# Altium PCB higgs.PcbDoc (part 1 of 25) (continued)
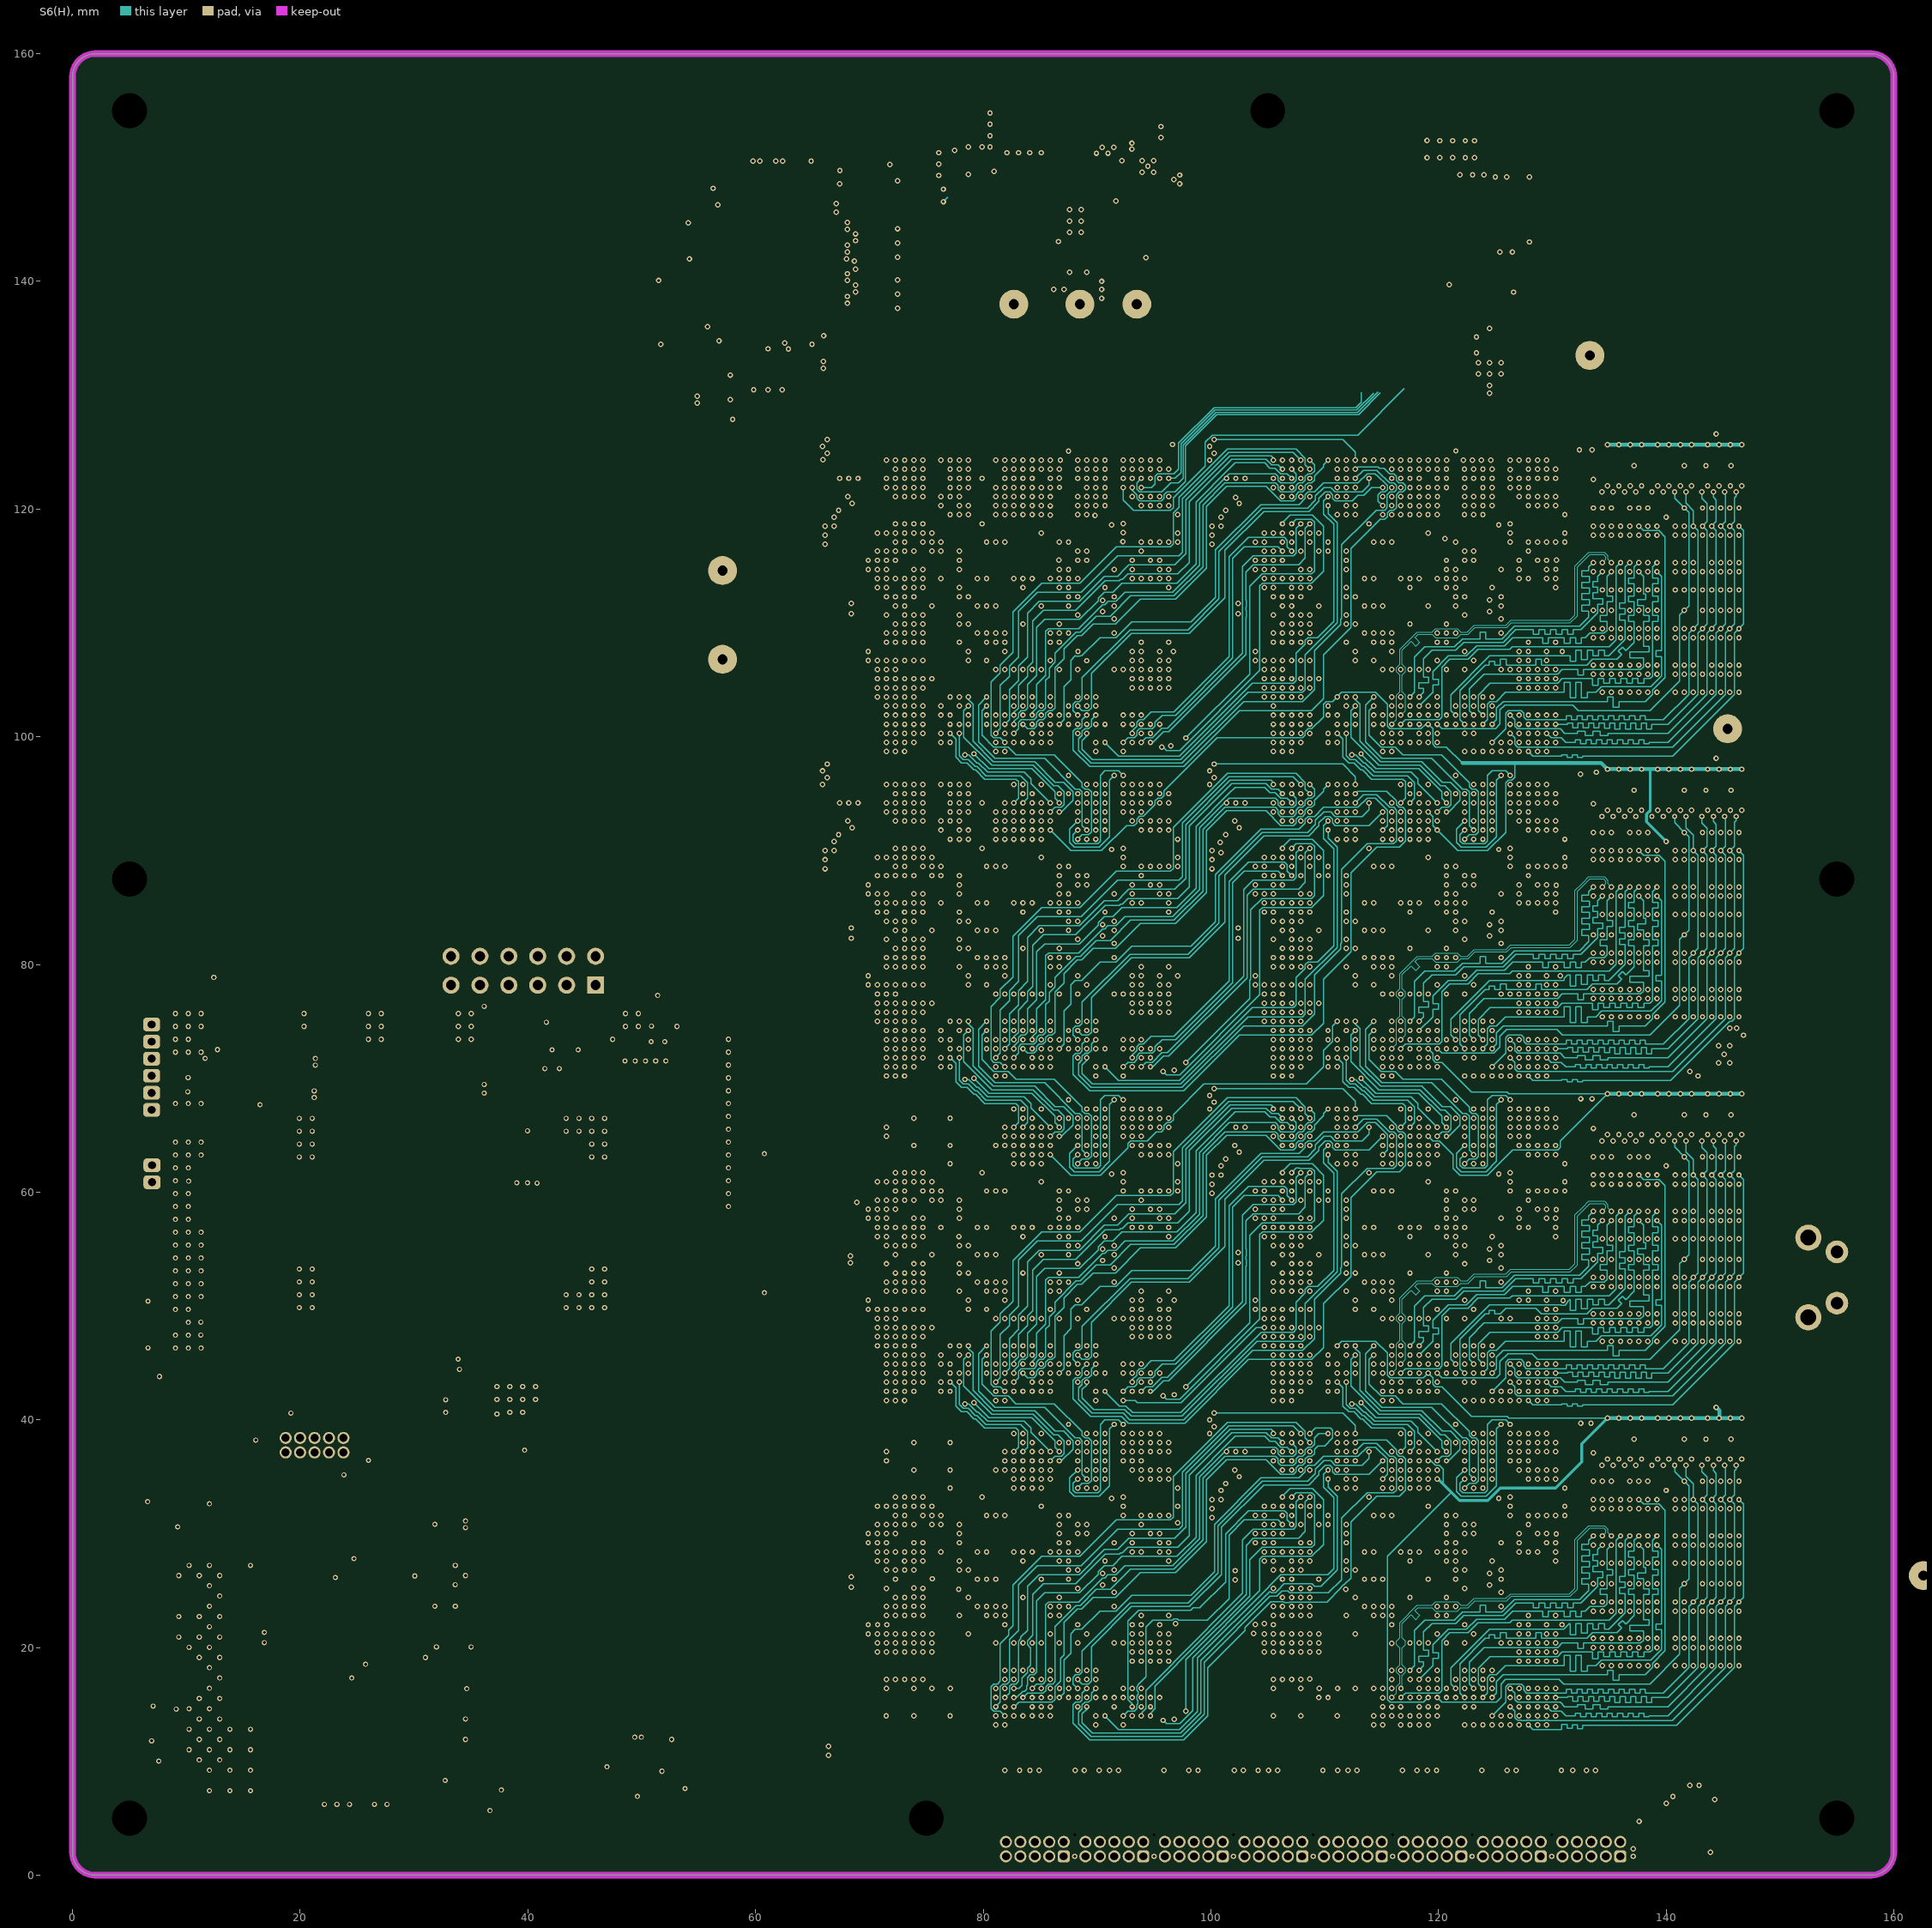
[diagram p12: S6(H)]
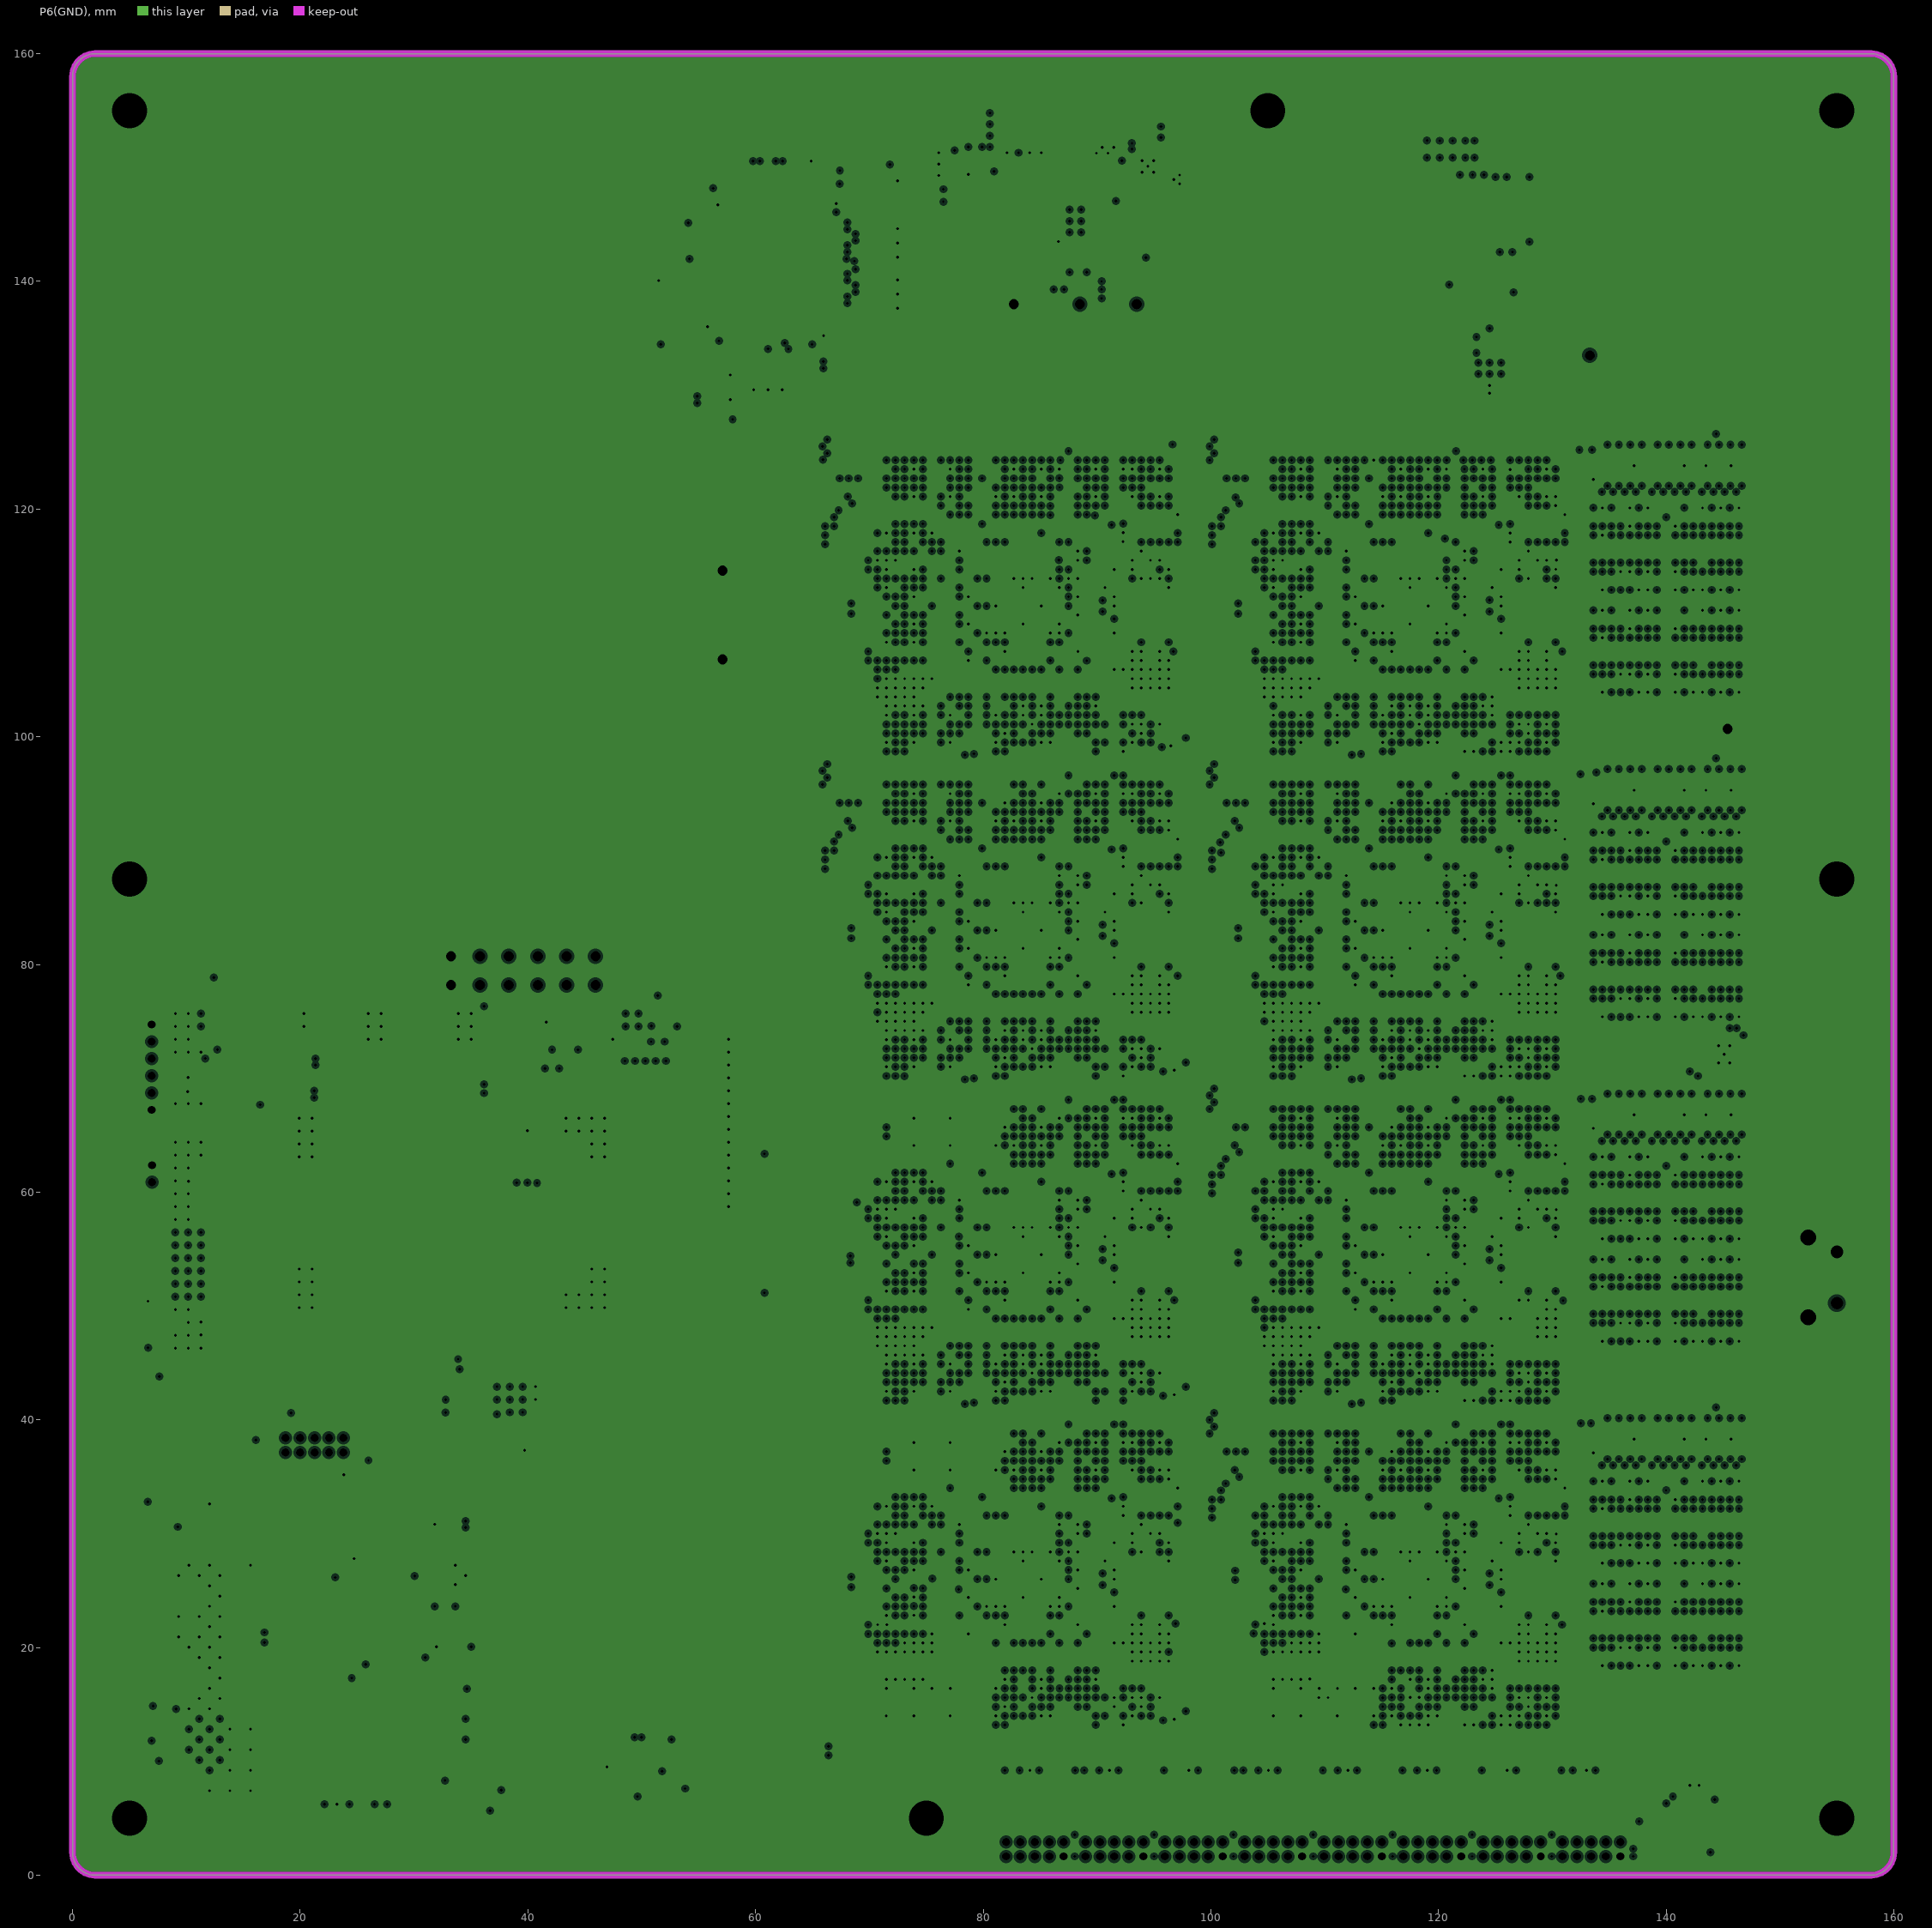
[diagram p13: P6(GND), clearances drawn from the general rule]
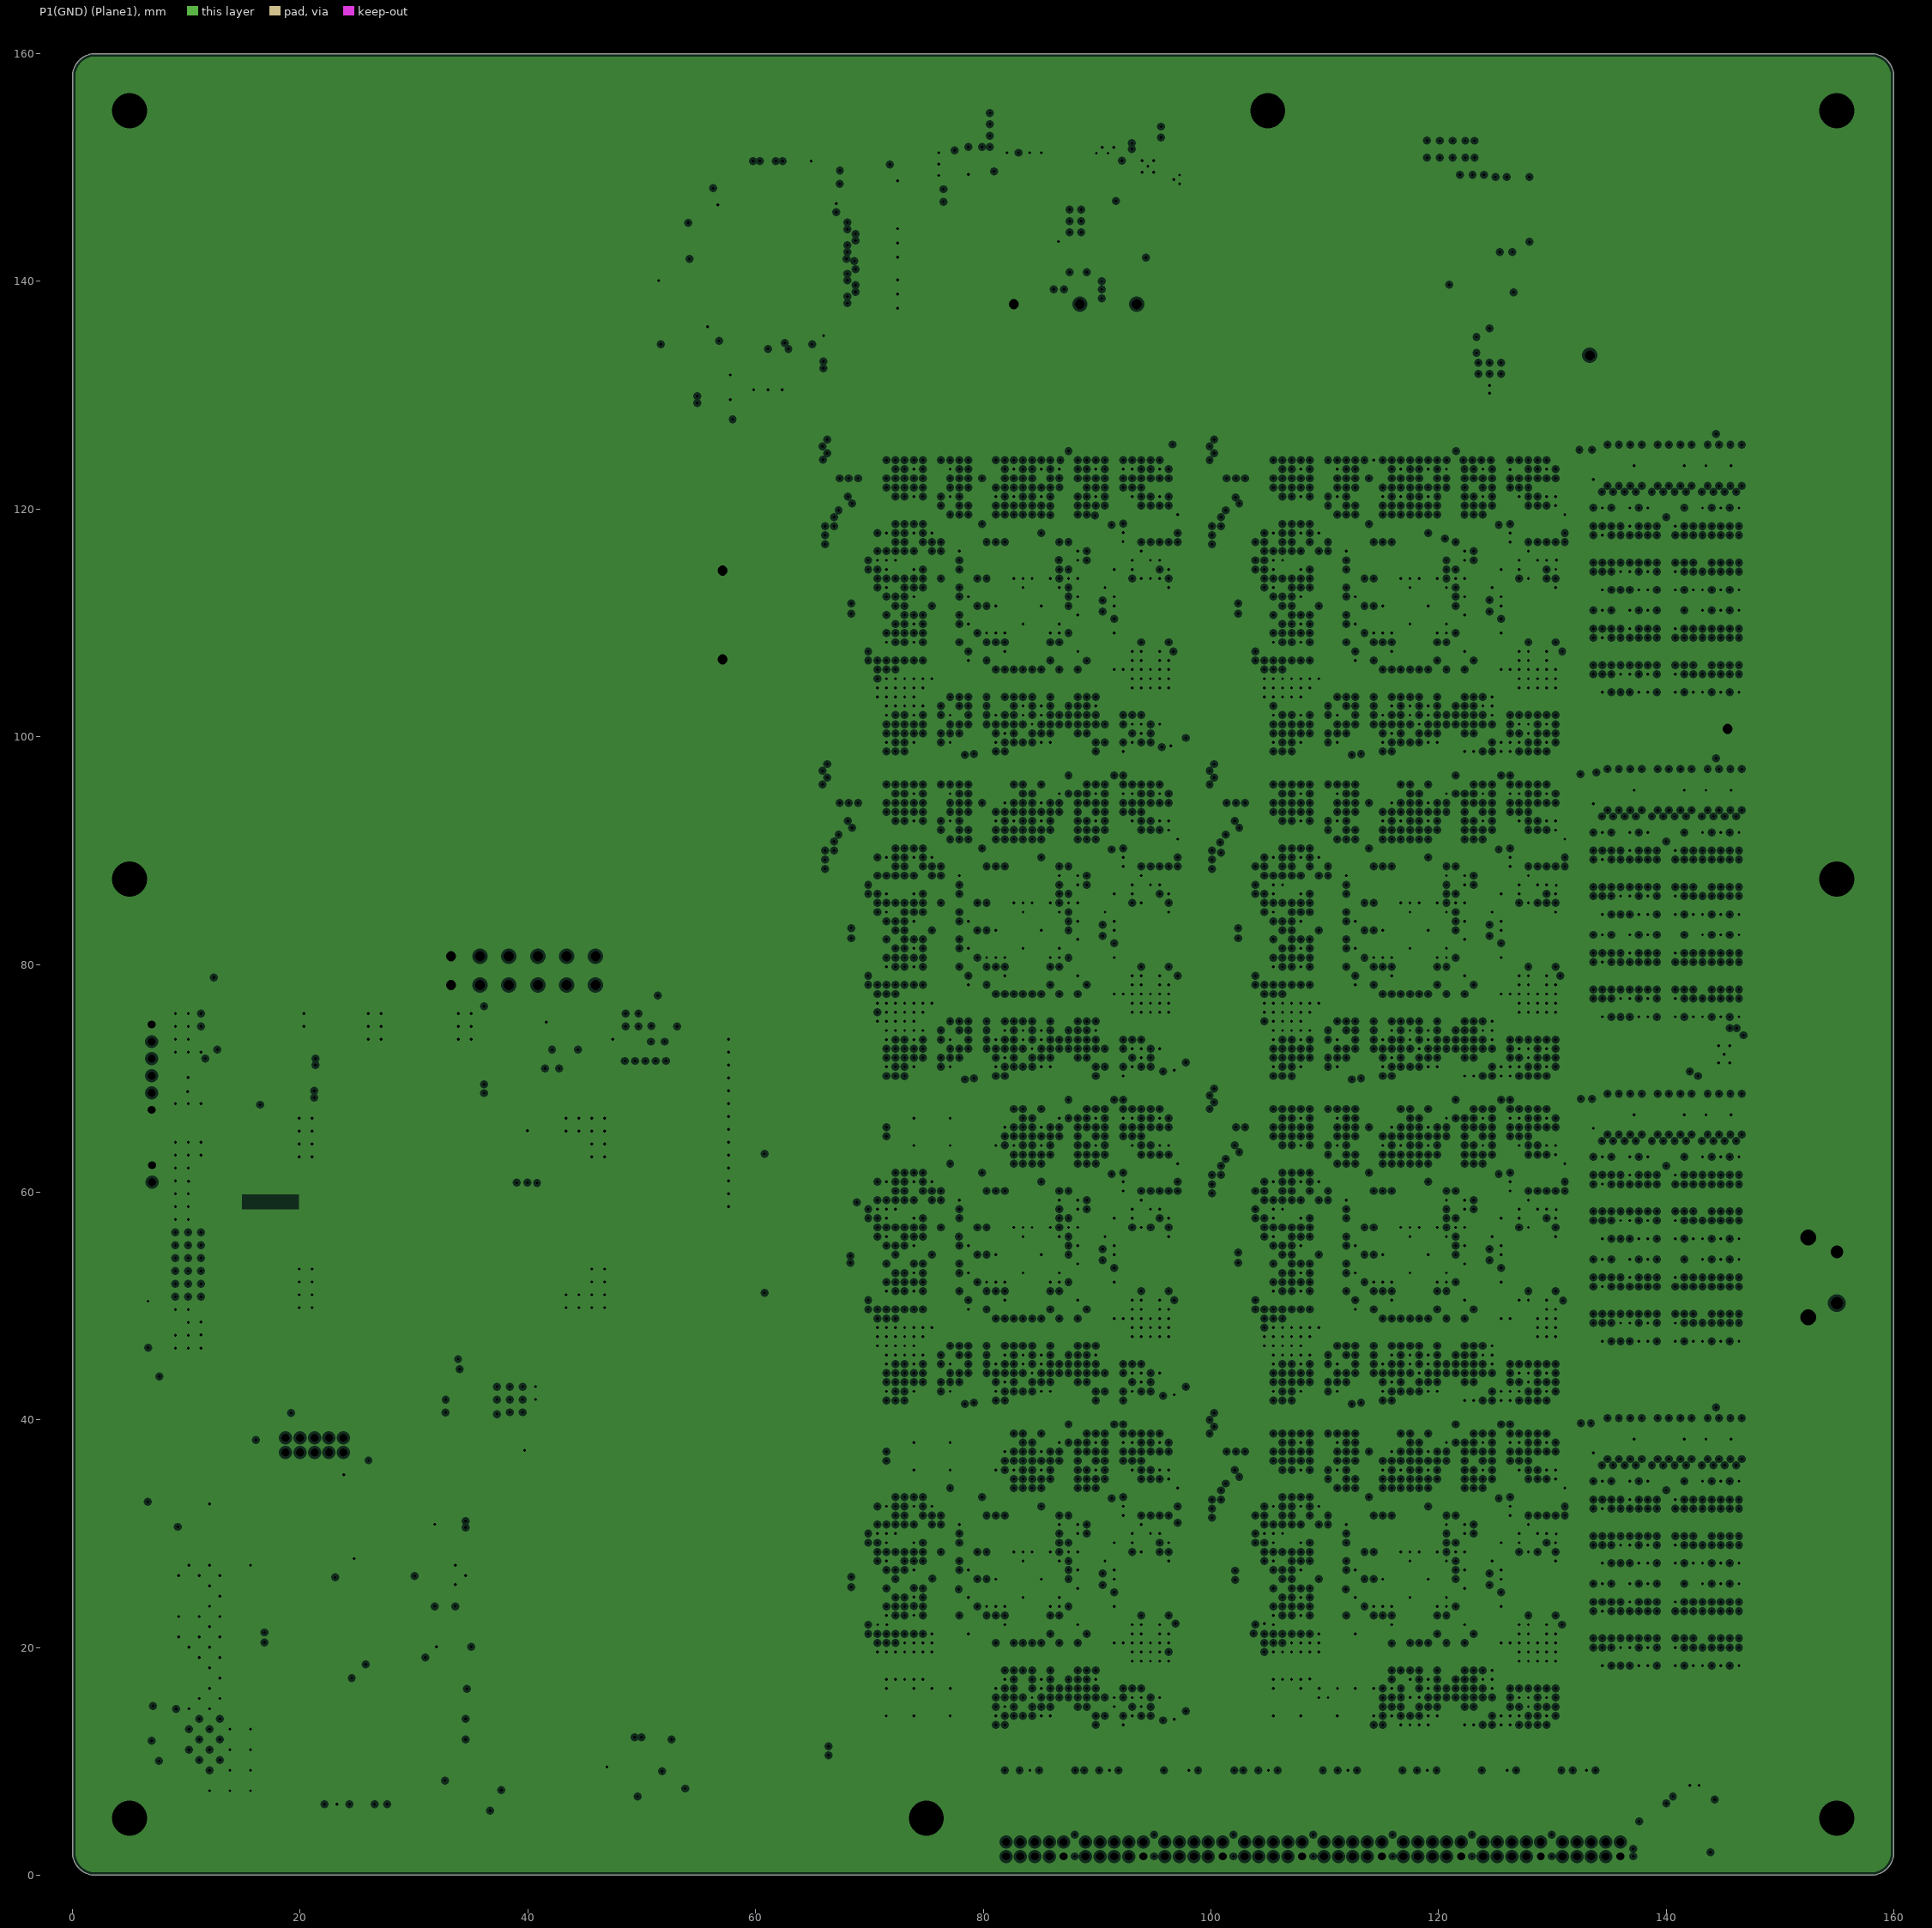
[diagram p14: P1(GND) (Plane1), clearances drawn from the general rule]

## Layer stack, top to bottom
Top Solder: solder mask 0.0127, Solder Resist, Dk 3.3
TOP: signal copper 0.0571
Dielectric1: prepreg 0.127, N4000-13EPSI (1080) PRE, Dk 4.2
P1(GND): plane copper 0.033, net GND
Dielectric 4: core 0.254, N4000-13EPSI, Dk 4.2
S1(V): signal copper 0.033
Dielectric 18: prepreg 0.127, N4000-13EPSI (2116) PRE, Dk 4.2
P2(GND): plane copper 0.033, net GND
Dielectric 11: core 0.254, N4000-13EPSI, Dk 4.2
S2(H): signal copper 0.033
Dielectric 5: prepreg 0.127, N4000-13EPSI (2116) PRE, Dk 4.2
P3(GND): plane copper 0.033, net GND
Dielectric 13: core 0.254, N4000-13EPSI, Dk 4.2
S3(V12/V2V5): signal copper 0.033
Dielectric 14: prepreg 0.127, N4000-13EPSI (1080) PRE, Dk 4.2
S4(VDDR): signal copper 0.033
Dielectric 15: core 0.254, N4000-13EPSI, Dk 4.2
P4(GND): plane copper 0.033, net GND
Dielectric 6: prepreg 0.127, N4000-13EPSI (2116) PRE, Dk 4.2
S5(V): signal copper 0.033
Dielectric 19: core 0.254, N4000-13EPSI, Dk 4.2
P5(GND): plane copper 0.033, net GND
Dielectric 7: prepreg 0.127, N4000-13EPSI (2116) PRE, Dk 4.2
S6(H): signal copper 0.033
Dielectric 16: core 0.254, N4000-13EPSI, Dk 4.2
P6(GND): plane copper 0.033, net GND
Dielectric 8: prepreg 0.127, N4000-13EPSI (1080) PRE, Dk 4.2
P1(GND) (Plane1): plane copper 0.018, net GND
Dielectric2: dielectric 0.32, FR-4, Dk 4.8
BOT: signal copper 0.0571
Bottom Solder: solder mask 0.0127, Solder Resist, Dk 3.3

## Board outline
0,2 0,158 cw(c2,158) 2,160 158,160 cw(c158,158) 160,158 160,2 cw(c158,2) 158,0 2,0 cw(c2,2)

## Design rules (kind name [scope] priority, off if disabled: settings)
AssemblyTestPointUsage [All] p1 off:
AssemblyTestpoint [All] p1 off: testpointundercomponent=TRUE minsize=1.016 maxsize=2.54 preferedsize=1.524 minholesize=0 maxholesize=1.016 preferedholesize=0.813 testpointgrid=0.025 usegrid=TRUE gridtolerance=0 allowsidetop=TRUE allowsidebottom=TRUE
Clearance Clearance_mount_holes [InPolygon vs HasFootprint('MOUNTM3')] p1: gap=0.15 ignorepadtopadclearanceinfootprint=FALSE
Clearance Clearance_tight_through_vias [IsTrack and InNetClass('tight') vs IsVia and not InNetClass('tight')] p2: gap=0.114 ignorepadtopadclearanceinfootprint=FALSE except(0: Arc-Hole Track-Hole SMDPad-Hole THPad-Hole Via-Hole Fill-Hole Poly-Hole Region-Hole Text-Hole)
Clearance Clearance_z50_through_pads_a [InNetClass('z50') and IsTrack vs IsComponentPad and not InNetClass('tight')] p3: gap=0.169 ignorepadtopadclearanceinfootprint=FALSE except(0: Arc-Hole Track-Hole SMDPad-Hole THPad-Hole Via-Hole Fill-Hole Poly-Hole Region-Hole Text-Hole)
Clearance Clearance_z50_through_pads_b [(InNetClass('z50') and IsTrack) and not InNetClass('tight') vs IsComponentPad] p4: gap=0.169 ignorepadtopadclearanceinfootprint=FALSE except(0: Arc-Hole Track-Hole SMDPad-Hole THPad-Hole Via-Hole Fill-Hole Poly-Hole Region-Hole Text-Hole)
Clearance Clearance_z50_to_copper_a [InNetClass('z50') and IsTrack vs (IsTrack or IsFill or InPolygon) and not InNetClass('tight')] p5: gap=0.203 ignorepadtopadclearanceinfootprint=FALSE except(0: Arc-Hole Track-Hole SMDPad-Hole THPad-Hole Via-Hole Fill-Hole Poly-Hole Region-Hole Text-Hole)
Clearance Clearance_z50_to_copper_b [(InNetClass('z50') and IsTrack) and not InNetClass('tight') vs (IsTrack or IsFill or InPolygon)] p6: gap=0.203 ignorepadtopadclearanceinfootprint=FALSE except(0: Arc-Hole Track-Hole SMDPad-Hole THPad-Hole Via-Hole Fill-Hole Poly-Hole Region-Hole Text-Hole)
Clearance Clearance_z50_through_vias [InNetClass('z50') vs IsTrack] p7: gap=0.107 ignorepadtopadclearanceinfootprint=FALSE except(0: Arc-Hole Track-Hole SMDPad-Hole THPad-Hole Via-Hole Fill-Hole Poly-Hole Region-Hole Text-Hole)
Clearance Clearance_through_vias [IsVia or isPad vs IsTrack] p8: gap=0.107 ignorepadtopadclearanceinfootprint=FALSE except(0: Arc-Hole Track-Hole SMDPad-Hole THPad-Hole Via-Hole Fill-Hole Poly-Hole Region-Hole Text-Hole)
Clearance [All] p9: gap=0.089 ignorepadtopadclearanceinfootprint=FALSE except(0: Arc-Hole Track-Hole SMDPad-Hole THPad-Hole Via-Hole Fill-Hole Poly-Hole Region-Hole Text-Hole)
ComponentClearance [All] p1 off: gap=0.254 collisioncheckmode=3 verticalgap=0.254 showdistances=FALSE
DiffPairsRouting [All] p1 off: maxlimit=0.254 minlimit=0.254 mostfreqgap=0.254 toplayer_minwidth=0.381 toplayer_maxwidth=0.381 toplayer_prefwidth=0.381 midlayer1_minwidth=0.381 midlayer1_maxwidth=0.381 midlayer1_prefwidth=0.381 midlayer2_minwidth=0.381 midlayer2_maxwidth=0.381 midlayer2_prefwidth=0.381 midlayer3_minwidth=0.381 midlayer3_maxwidth=0.381 midlayer3_prefwidth=0.381 midlayer4_minwidth=0.381 midlayer4_maxwidth=0.381 midlayer4_prefwidth=0.381 midlayer5_minwidth=0.381 midlayer5_maxwidth=0.381 midlayer5_prefwidth=0.381 midlayer6_minwidth=0.381 midlayer6_maxwidth=0.381 midlayer6_prefwidth=0.381 bottomlayer_minwidth=0.381 bottomlayer_maxwidth=0.381 bottomlayer_prefwidth=0.381 maxuncoupledlength=12.7
DiffPairsRouting DiffPairsRouting_tight [InNetClass('tight')] p2: maxlimit=0.229 minlimit=0.114 mostfreqgap=0.229 toplayer_maxgap=0.114 toplayer_prefgap=0.114 toplayer_minwidth=0.089 toplayer_maxwidth=0.089 toplayer_prefwidth=0.089 midlayer1_mingap=0.229 midlayer1_minwidth=0.102 midlayer1_maxwidth=0.102 midlayer1_prefwidth=0.102 midlayer2_maxgap=0.114 midlayer2_prefgap=0.114 midlayer2_minwidth=0.089 midlayer2_maxwidth=0.089 midlayer2_prefwidth=0.089 midlayer3_maxgap=0.114 midlayer3_prefgap=0.114 midlayer3_minwidth=0.089 midlayer3_maxwidth=0.089 midlayer3_prefwidth=0.089 midlayer4_mingap=0.229 midlayer4_minwidth=0.102 midlayer4_maxwidth=0.102 midlayer4_prefwidth=0.102 midlayer5_maxgap=0.114 midlayer5_prefgap=0.114 midlayer5_minwidth=0.089 midlayer5_maxwidth=0.089 midlayer5_prefwidth=0.089 midlayer6_maxgap=0.114 midlayer6_prefgap=0.114 midlayer6_minwidth=0.089 midlayer6_maxwidth=0.089 midlayer6_prefwidth=0.089 bottomlayer_maxgap=0.114 bottomlayer_prefgap=0.114 bottomlayer_minwidth=0.089 bottomlayer_maxwidth=0.089 bottomlayer_prefwidth=0.089 maxuncoupledlength=6.35
DiffPairsRouting DiffPairsRouting_loose [IsDifferentialPair and InNetClass('loose') and (not IsVia)] p3 off: maxlimit=0.229 minlimit=0.107 mostfreqgap=0.229 toplayer_maxgap=0.203 toplayer_prefgap=0.203 toplayer_minwidth=0.102 toplayer_maxwidth=0.102 toplayer_prefwidth=0.102 midlayer1_minwidth=0.102 midlayer1_maxwidth=0.102 midlayer1_prefwidth=0.102 midlayer2_maxgap=0.203 midlayer2_prefgap=0.203 midlayer2_minwidth=0.102 midlayer2_maxwidth=0.102 midlayer2_prefwidth=0.102 midlayer3_maxgap=0.203 midlayer3_prefgap=0.203 midlayer3_minwidth=0.102 midlayer3_maxwidth=0.102 midlayer3_prefwidth=0.102 midlayer4_minwidth=0.102 midlayer4_maxwidth=0.102 midlayer4_prefwidth=0.102 midlayer5_maxgap=0.203 midlayer5_prefgap=0.203 midlayer5_minwidth=0.102 midlayer5_maxwidth=0.102 midlayer5_prefwidth=0.102 midlayer6_maxgap=0.203 midlayer6_prefgap=0.203 midlayer6_minwidth=0.102 midlayer6_maxwidth=0.102 midlayer6_prefwidth=0.102 bottomlayer_maxgap=0.203 bottomlayer_prefgap=0.203 bottomlayer_minwidth=0.102 bottomlayer_maxwidth=0.102 bottomlayer_prefwidth=0.102 maxuncoupledlength=6.35
DiffPairsRouting DiffPairsRouting_loose_1 [InNetClass('loose') and (not IsVia)] p4: maxlimit=0.229 minlimit=0.107 mostfreqgap=0.229 toplayer_maxgap=0.203 toplayer_prefgap=0.203 toplayer_minwidth=0.102 toplayer_maxwidth=0.102 toplayer_prefwidth=0.102 midlayer1_minwidth=0.102 midlayer1_maxwidth=0.102 midlayer1_prefwidth=0.102 midlayer2_maxgap=0.203 midlayer2_prefgap=0.203 midlayer2_minwidth=0.102 midlayer2_maxwidth=0.102 midlayer2_prefwidth=0.102 midlayer3_maxgap=0.203 midlayer3_prefgap=0.203 midlayer3_minwidth=0.102 midlayer3_maxwidth=0.102 midlayer3_prefwidth=0.102 midlayer4_minwidth=0.102 midlayer4_maxwidth=0.102 midlayer4_prefwidth=0.102 midlayer5_maxgap=0.203 midlayer5_prefgap=0.203 midlayer5_minwidth=0.102 midlayer5_maxwidth=0.102 midlayer5_prefwidth=0.102 midlayer6_maxgap=0.203 midlayer6_prefgap=0.203 midlayer6_minwidth=0.102 midlayer6_maxwidth=0.102 midlayer6_prefwidth=0.102 bottomlayer_maxgap=0.203 bottomlayer_prefgap=0.203 bottomlayer_minwidth=0.102 bottomlayer_maxwidth=0.102 bottomlayer_prefwidth=0.102 maxuncoupledlength=6.35
FabricationTestPointUsage [All] p1 off: valid=0 allowmultiple=FALSE
FabricationTestpoint [All] p1 off: side=3 testpointundercomponent=TRUE minsize=1.016 maxsize=2.54 preferedsize=1.524 minholesize=0 maxholesize=1.016 preferedholesize=0.813 testpointgrid=0.025 allowsidetop=TRUE allowsidebottom=TRUE usegrid=TRUE gridtolerance=0
FanoutControl Fanout_BGA [IsBGA] p1 off: bgadir=Out bgaviamode=Centered fanoutstyle=Auto fanoutdirection=Alternating viagrid=0.025 // Fanout_BGA (Default Rule)
FanoutControl Fanout_LCC [IsLCC] p2 off: bgadir=Out bgaviamode=Centered fanoutstyle=Auto fanoutdirection=Alternating viagrid=0.025 // Fanout_LCC (Default Rule)
FanoutControl Fanout_SOIC [IsSOIC] p3 off: bgadir=Out bgaviamode=Centered fanoutstyle=Auto fanoutdirection=Alternating viagrid=0.025 // Fanout_SOIC (Default Rule)
FanoutControl Fanout_Small [(CompPinCount < 5)] p4 off: bgadir=Out bgaviamode=Centered fanoutstyle=Auto fanoutdirection=OutThenIn viagrid=0.025 // Fanout_Small (Default Rule)
FanoutControl Fanout_Default [All] p5 off: bgadir=Out bgaviamode=Centered fanoutstyle=Auto fanoutdirection=Alternating viagrid=0.025 // Fanout_Default (Default Rule)
Height [All] p1 off: minheight=0 maxheight=25.4 prefheight=12.7
HoleSize [All] p1: absolutevalues=TRUE maxlimit=25.4 minlimit=0.203 maxpercent=80.000 minpercent=20.000
LayerPairs [All] p1 off: enforce=TRUE
MinimumSolderMaskSliver [All] p1 off: minsoldermaskwidth=0.1
NetAntennae [All] p1 off: netantennaetolerance=0
PlaneClearance [All] p1: clearance=0.229
PlaneConnect [All] p1: planeconnectstyle=Direct reliefexpansion=0.508 reliefentries=4 reliefconductorwidth=0.254 reliefairgap=0.254
PolygonConnect PolygonConnectNoThermal [All vs InPolygonClass('NO_THERMAL')] p1: connectstyle=Direct reliefconductorwidth=0.254 reliefentries=4 polygonreliefangle="90 Angle" airgapwidth=0.254
PolygonConnect PolygonConnectVia [IsVia] p2: connectstyle=Direct reliefconductorwidth=0.254 reliefentries=4 polygonreliefangle="90 Angle" airgapwidth=0.254
PolygonConnect [All] p3: connectstyle=Direct reliefconductorwidth=0.2 reliefentries=4 polygonreliefangle="90 Angle" airgapwidth=0.1
RoutingVias [All] p1: holewidth=0.254 width=0.483 viastyle="Through Hole" minholewidth=0.254 minwidth=0.483 maxholewidth=0.711 maxwidth=1.27
SilkToBoardRegionClearance [All] p1 off:
SilkToSilkClearance [All] p1 off: silktosilkclearance=0.254
SilkToSolderMaskClearance SilkscreenOverComponentPads [IsPad] p1 off: minsilkscreentomaskgap=0.254 clearancetoexposedcopper=TRUE
SolderMaskExpansion [All] p1: expansion=0.05
Width Width_z50 [InNetClass('z50')] p1: maxlimit=0.102 minlimit=0.102 preferedwidth=0.102
Width [All] p2: maxlimit=5.08 minlimit=0.095 preferedwidth=0.095